# Allegro board RK_TABLET_DEMO1_RK3576_LP4XD200P132SD6_V12_20240530YWQ.brd (continued)
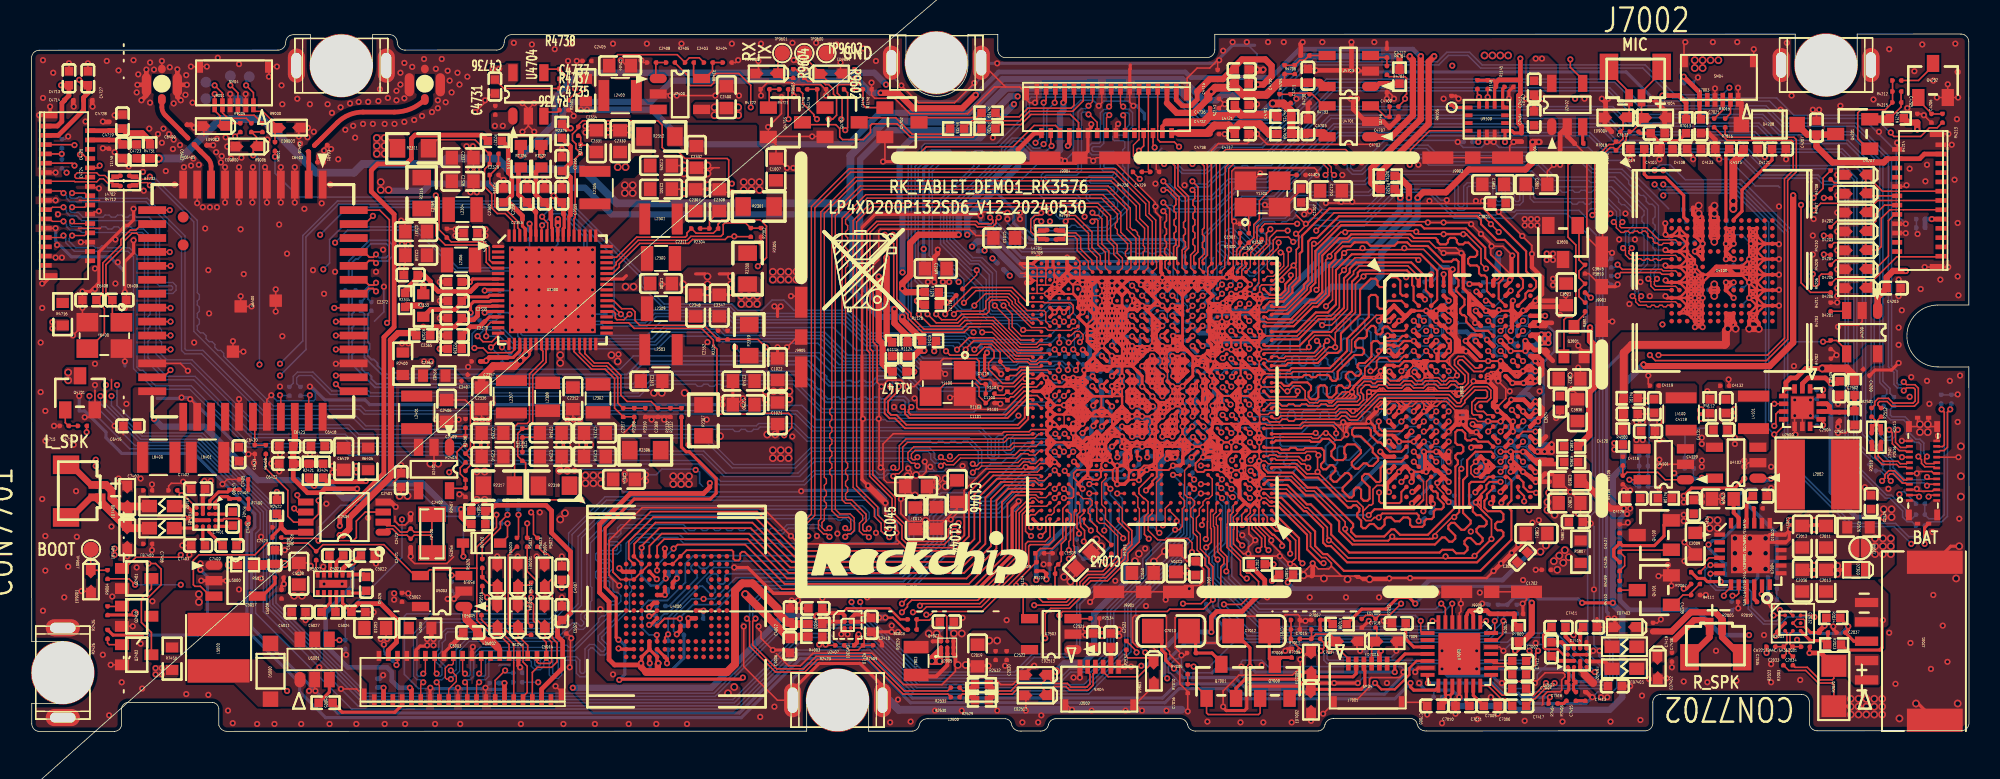
[diagram p0: board, top side]
## Routing (per net, layer and track width the routed paths; a pad name or vN(x,y) marks a point on that pad's centre or on a via; arc(x,y) is an arc through that point) (continued)
VCCA_1V8_S0_P: length 5.1
  TOP w0.203: 33.51,33.1 33.56,33.04 33.56,32.54 33.61,32.49 U2300.60
  TOP w0.305: 33.51,33.1 33.51,33.76 C2353.1 33.04,34.17 32.54,34.67 32.54,36.13 32.85,36.43 R2322.1
VCCA_3V3_S0_P: length 5
  TOP w0.203: 32.54,33.5 32.54,32.04 U2300.63
  TOP w0.305: 32.54,33.5 32.54,33.55 31.98,34.11 C2358.1 31.92,34.17 31.42,34.67 31.42,36.28 R2326.1
VCCIO_1V8_S0: length 145.3
  TOP w0.152: R2028.1 56.06,7.24 55.35,7.95 52.61,7.95 52.3,7.64
  TOP w0.203: U1000.2A2 74.87,17.7 v1(74.86,17.7) ; v1(71.99,17.71) U1000.2A7
  TOP w0.229: U1000.2A5 73.65,17.71 v1(73.79,17.71) ; U1000.2A5 73.27,18.05 v1(73.27,17.61) 73.7,17.61 v1(73.79,17.71) ; U1000.2A5 73.43,18.07 73.46,18.05 73.92,18.05 U1000.2A4 73.94,17.86 v1(73.79,17.71)
  TOP w0.254: 51.02,6.98 51.12,7.08 U2407.A1 52.46,7.49 52.3,7.64 51.02,7.64
  TOP w0.406: 51.02,6.98 R4002.2 ; v1(96.8,8.31) 96.8,6.37 96.24,5.81 R7000.1 95.96,5.43 v1(95.74,5.21)
  TOP w0.508: v1(50.68,7.44) v1(51.08,7.44) ; R5013.1 v2(12.73,10.75)
  L3-POWER w0.406: v1(95.74,5.21) 95.23,4.7 83.39,4.7 82.12,3.43 v1(73.28,3.43) ; v1(34.93,2.82) 34.12,2.01 17.1,2.01 v1(16.49,2.62)
  L4-SIG w0.406: v2(66.12,3.89) 66.22,3.99 67.9,3.99 68.46,3.43 v1(73.28,3.43) ; v2(12.73,10.75) 11.92,9.94 11.92,6.53 15.83,2.62 v1(16.49,2.62)
  L5-GND w0.508: v2(66.12,3.89) 65.15,4.85 61.37,4.85 60.76,5.46 55.43,5.46 53.44,7.44 v1(51.08,7.44) v1(50.68,7.44)
  BOTTOM w0.203: v1(73.28,3.43) 73.11,3.6 73.11,4.4 74.43,5.71 76.43,5.71 76.89,6.17 76.89,6.83 75.8,7.92 R1927.1 ; v1(96.8,8.31) 96.45,8.66 95.68,8.66 95.23,8.2 R1800.1 R1801.1
  BOTTOM w0.305: 72,17.72 72.07,17.78 73.1,17.78 v1(73.27,17.61) 73.7,17.61 v1(73.79,17.71) C1903.1 74.55,17.4 v1(74.86,17.7) ; 72,17.72 C1901.1 ; 72,17.72 v1(71.99,17.71) ; v1(74.86,17.7) 74.87,17.7 C1800.1 ; v1(74.86,17.7) 74.91,17.65 R1935.1
  BOTTOM w0.406: 72.88,13.81 R1926.1 71.86,13.81 71.45,13.41 71.45,12.57 70.54,11.66 70.54,9.58 68.56,7.6 68.56,5.1 67.85,4.39 66.63,4.39 v2(66.12,3.89) ; 72.88,13.81 R1934.1 ; 72.88,13.81 72.77,13.92 72.77,17.21 73.18,17.61 v1(73.27,17.61) ; v1(34.93,2.82) 43.87,2.82 48.49,7.44 v1(50.68,7.44) v1(51.08,7.44)
VCCIO_CODEC: length 5.6
  TOP w0.203: U7000.2 93.03,7.56 92.79,7.8 92.64,7.64 92.64,7.54 92.58,7.49 U7000.3
  TOP w0.305: 92.79,7.8 93.91,7.8 94.11,7.59 95.67,7.59 C7003.1 95.68,6.99 R7000.2
VCCIO_SD_S0: length 105.2
  TOP w0.203: v1(71.47,17.61) 71.34,17.75 U1000.2A8
  TOP w0.305: R2327.2 29.08,38.52 24.74,38.52 24.51,38.29 24.51,37.01 24.16,36.65 22.33,36.65 21.92,36.25 21.92,34.87 23.4,33.4 23.4,26.12 22.74,25.46 22.74,16.67 19.89,13.83 v1(19.89,13.28)
  L4-SIG w0.305: v1(71.47,17.61) 71.47,17.01 70.95,16.48 70.95,14.6 70.28,13.94 66.98,13.94 66.27,13.23 66.27,12.47 65.56,11.76 48.29,11.76 46.87,13.18 37.87,13.18 34.93,10.24 28.43,10.24 27.82,9.63 26.85,9.63 26.6,9.88 22.53,9.88 21.67,10.74 21.67,11.56 19.94,13.28 v1(19.89,13.28)
  BOTTOM w0.152: C1309.1 70.57,16.36 69.55,16.36 69.22,16.03 69.22,15.06 69.62,14.66 69.62,11.96 68.81,11.15 R1360.1 67.44,11.58 R1361.1
  BOTTOM w0.203: C1309.1 71.45,17.59 v1(71.47,17.61)
VCCIO_SD_S0_P: length 7.4
  TOP w0.203: U2300.65 31.86,32.46 31.68,32.64 31.68,33.05
  TOP w0.305: 30.54,34.17 30.81,34.17 31.68,33.3 31.68,33.05 ; 30.54,34.17 30.99,34.62 30.99,35.87 30.76,36.09 30.76,37.74 R2327.1 ; 30.54,34.17 C2360.1
VCCIO_WL: length 64.8
  TOP w0.229: v1(69.72,18.4) 69.76,18.4 70.04,18.68 U1000.2B10
  TOP w0.305: C6422.1 16.89,16.34 17.81,15.42 18.67,15.42 18.93,15.67 v1(21.01,15.67)
  TOP w0.406: R2424.2 R2421.2 17.9,17.3 C6422.1 C6423.1 16.99,18.51 U6400.34
  L4-SIG w0.203: v1(69.72,18.4) 69.29,18.82 68.35,18.82 68.05,18.52 65.51,18.52 65.32,18.33
  L4-SIG w0.305: v1(21.01,15.67) 21.87,15.67 23.04,14.5 23.04,13.54 23.6,12.98 34.32,12.98 36.81,15.47 48.59,15.47 49.15,16.03 51.84,16.03 54.59,18.77 64.44,18.77 64.89,18.33 65.32,18.33
  BOTTOM w0.305: v1(69.72,18.4) 69.46,18.14 C1801.1
VDD1_1V8_DDR_S3: length 18.5
  TOP w0.279: v1(87.51,25.57) 87.53,25.55 U3800.F1 ; U3800.U1 v1(87.59,18.72) ; v1(94.64,18.72) U3800.T9 ; U3800.T4 v1(90.64,19.37) ; 97.36,25.15 v1(97.42,25.1) v1(97.42,25.63) 96.8,25.63 U3800.F12 96.97,25.55 97.36,25.15 97.36,25.15
  TOP w0.305: U3800.G4 v1(90.64,25.22) ; U3800.U12 97.04,18.07 v1(97.18,18.07) ; U3800.G9 v1(93.91,25.3) ; v1(97.42,25.63) v1(97.87,25.63) v1(97.87,25.1) v1(97.42,25.1)
  TOP w0.406: v1(97.63,18.07) v1(98.09,18.53) v1(98.09,18.07) v1(97.63,18.07) ; v1(97.63,18.07) v1(97.18,18.07)
  L4-SIG w0.203: v1(97.18,18.07) v1(97.63,18.07)
  L4-SIG w0.254: v1(97.42,25.63) v1(97.42,25.1)
  BOTTOM w0.254: C3841.1 87.11,25.57 v1(87.51,25.57) ; C3837.1 93.64,25.57 v1(93.91,25.3) ; v1(90.64,19.37) 90.58,19.37 C3842.1
  BOTTOM w0.305: v1(90.64,25.22) 90.95,24.91 C3838.1 ; v1(94.64,18.72) 94.4,18.96 C3840.1 ; v1(87.59,18.72) 87.59,18.36 C3844.1 ; C3843.1 97.63,18.25 v1(97.63,18.07) ; C3843.1 97.18,18.2 v1(97.18,18.07) v1(97.63,18.07) ; C3843.1 97.51,18.53 v1(98.09,18.53) v1(98.09,18.07) v1(97.63,18.07)
  BOTTOM w0.406: v1(97.42,25.1) 97.25,25.1 97.03,24.89 C3839.1 ; v1(97.42,25.1) v1(97.42,25.63) v1(97.87,25.63) v1(97.87,25.1) v1(97.42,25.1)
VDD2_DDR_S3: length 55.7
  TOP w0.102: R2311.1 22.96,38.33 v2(22.79,38.33) v2(22.28,38.33)
  TOP w0.203: v1(92.54,25.22) 92.92,25.6 93.46,25.6 U3800.F8
  TOP w0.254: v1(94.17,14.74) 94.31,14.89 U3800.AB9 ; U3800.N10 95.48,21.36 v1(95.48,21.43) ; U3800.G2 v1(88.39,24.57) ; U3800.U8 92.95,18.4 v1(92.89,18.34) ; v1(92.98,19.85) 93.09,19.74 93.47,19.74 U3800.R8 ; U3800.N3 v1(89.19,20.67)
  TOP w0.279: U3800.K3 89.24,23.22 89.24,23.22 v1(89.24,23.22) ; v1(97.04,22.62) 96.92,22.5 v1(96.27,22.5) ; v1(97.04,22.62) 97.47,23.05 97.47,23.49 ; v1(97.04,22.62) 96.71,22.95 U3800.K12 v1(96.27,22.5) ; v1(87.59,24.57) U3800.H1 88.06,24.25 v1(88.39,24.57) ; 97.47,23.49 v1(97.04,23.92) 96.71,24.25 U3800.H12 97.19,24.25 97.47,23.97 97.47,23.49 ; v1(96.27,22.5) v1(95.56,22.5) U3800.K10 ; U3800.R5 v1(91.44,20.02) ; U3800.A9 94.31,29.11 v1(94.54,29.34) ; U3800.A4 v1(90.31,29.53) ; U3800.N1 v1(87.59,20.67) ; U3800.H8 v1(92.54,25.22) ; U3800.T2 v1(89.04,19.37) ; U3800.K1 v1(87.61,23.25) ; U3800.H5 v1(91.44,24.57) 91.52,24.65 91.52,25.14 v1(91.44,25.22) U3800.F5 ; U3800.R1 v1(87.59,20.02)
  TOP w0.305: v1(81.05,9.63) 81.05,9.68 81.4,10.03 R3809.2 ; v1(95.48,21.43) 96.28,21.43 U3800.N12 v1(97.04,21.32) 97.49,20.87 97.49,20.47 97.21,20.19 v1(97.21,20.03) 97.05,20.03 U3800.R12 ; U3800.AB4 90.31,14.81 v1(90.42,14.7) ; U3800.U5 v1(91.44,18.72) ; 97.41,11.61 v2(97.36,11.61)
  BOTTOM w0.089: v1(91.44,18.72) C3834.1
  BOTTOM w0.102: v1(92.89,18.34) 92.93,18.38 C3835.1
  BOTTOM w0.254: C3830.1 88.97,20.67 v1(89.19,20.67) ; v1(87.59,20.67) 87.35,20.44 C3828.1 87.35,20.26 v1(87.59,20.02) ; 88.38,24.57 C3826.1 87.59,24.62 v1(87.59,24.57) 88.38,24.57 ; 88.38,24.57 v1(88.39,24.57) ; C3832.1 90.38,29.59 v1(90.31,29.53)
  BOTTOM w0.279: C3827.1 96.99,23.92 v1(97.04,23.92)
  BOTTOM w0.305: v2(97.36,11.61) 96.75,11.61 94.92,9.78 90.2,9.78 89.64,9.22 81.41,9.22 81.05,9.58 v1(81.05,9.63) ; v1(97.04,21.32) 96.59,21.77 96.13,21.77 ; 96.13,21.77 95.78,21.43 v1(95.48,21.43) ; 96.13,21.77 96.98,22.62 v1(97.04,22.62) ; C3829.1 96.79,20.17 97.07,20.17 v1(97.21,20.03) ; v1(89.24,23.22) 89.24,23.22 89.24,23.23 89.24,23.32 89.44,23.52 C3833.1 ; v1(90.42,14.7) 90.42,14.27 C3831.1
  BOTTOM w0.406: v1(94.7,30.88) 94.62,30.81 94.62,30.19 94.61,30.18 94.61,29.4 v1(94.54,29.34)
  vias: v1(97.77,30.86) v1(97.77,30.45) v1(98.17,30.86) v1(98.17,30.45) v1(98.17,29.23) v1(98.17,28.83) v2(22.28,37.82) v2(22.28,37.31) v2(22.79,37.82) v2(22.79,37.31) v2(97.72,12.01)
VDD2_DDR_S3_P: length 11.1
  TOP w0.102: R2311.2 26.16,38.22 28.62,38.22 29.52,37.31 C2329.1 R2313.1 29.24,36.32 29.24,35.18 29.7,34.72 29.7,33.81 30.05,33.45 30.56,33.45 31.16,32.85 U2300.67
VDD6V0_LCD: length 15.7
  TOP w0.254: U5002.2 20.07,10.49
  TOP w0.305: C5022.1 20.79,10.9 v1(20.7,10.9) 20.6,10.79 20.37,10.79 20.07,10.49 ; J5000.9 24.51,2.72 v1(24.41,2.82)
  BOTTOM w0.305: v1(24.41,2.82) 23.7,2.82 23.24,3.28 23.24,3.83 22.94,4.14 20.4,4.14 18.98,5.56 18.98,7.64 20.7,9.37 v1(20.7,10.9)
VDD_0V75_S3: length 49.6
  TOP w0.203: U1000.2L2 v1(74.92,24.9)
  TOP w0.229: v1(69.72,24.92) 69.72,24.9 U1000.2L10
  TOP w0.406: R2328.2 v1(26.34,24.71)
  L4-SIG w0.305: 65.41,26.29 65.71,25.98 69.27,25.98 69.57,25.68 69.57,25.06 v1(69.72,24.92)
  L4-SIG w0.406: v1(26.34,24.71) 27.66,26.03 30.15,26.03 30.75,25.43 37.78,25.43 38.69,26.34 52.96,26.34 54.41,27.79 56.08,27.79 56.61,28.32 59.57,28.32 59.72,28.17 63.53,28.17 65.41,26.29
  BOTTOM w0.305: C1118.1 69.87,25.07 v1(69.72,24.92) ; v1(74.92,24.9) 74.92,24.76 C1107.1
VDD_0V75_S3_P: length 3.7
  TOP w0.203: U2300.14 29.54,26.77 29.26,26.49
  TOP w0.305: 29.26,26.49 28.9,26.14 28.32,26.14 C2363.1
  TOP w0.406: R2328.1 C2363.1
VDD_CPU_BIG_S0: length 72.7
  TOP w0.102: U2300.49 37.74,30.62 39.04,31.93 42.19,31.93 42.29,32.03 42.29,32.2 C2311.2 42.88,32.18 43.99,32.18 R2304.2 44.3,32.76 44.58,33.04 47.02,33.04 47.42,32.64 47.42,30.61 v1(46.87,30.05)
  TOP w0.178: v1(72.97,22.95) 72.97,22.95 72.97,22.3 v1(72.97,22.3) ; v1(72.32,22.95) v1(72.32,23.6)
  TOP w0.203: v1(71.67,23.6) U1000.2K7 ; U1000.2K7 72.32,23.6 ; U1000.2K7 72.32,24.25
  TOP w0.229: U1000.2K7 U1000.2J7 ; U1000.2J7 v1(71.67,23.6) ; U1000.2J7 v1(72.32,23.6) ; U1000.2J7 v1(72.32,22.95) ; U1000.2J7 U1000.2H7 ; v1(72.97,22.3) U1000.2H6 ; v1(72.97,22.3) U1000.2G5 v1(72.97,21.65) ; v1(72.97,22.3) v1(72.32,22.3) ; v1(72.97,22.3) v1(72.97,21.65) ; v1(72.97,22.3) U1000.2G6 ; v1(72.32,23.6) U1000.2K6 v1(72.32,24.25) 72.32,23.6 v1(72.32,23.6) ; v1(72.32,23.6) U1000.2J6 ; U1000.2J6 v1(72.32,22.95) ; U1000.2J6 U1000.2H6 ; U1000.2J6 v1(72.97,22.95) U1000.2H6 ; U1000.2G6 v1(72.32,22.3) ; U1000.2G6 v1(72.97,21.65) ; v1(72.32,22.95) 72.32,22.3 ; v1(72.32,22.95) U1000.2H6 ; v1(72.32,22.95) U1000.2H7 ; v1(72.32,22.3) 72.32,22.3 ; v1(72.32,22.3) 72.32,22.3 ; v1(72.32,22.3) U1000.2H6 ; 72.32,22.3 U1000.2H7
  L3-POWER w0.089: 72.16,29.08 72.27,28.98 72.27,25.32 72.06,25.12 ; 72.27,24.32 72.25,24.31 v1(72.32,24.25) ; 72.06,24.64 72.32,24.38 v1(72.32,24.25) ; v1(72.32,24.25) 72.32,24.25 ; 70.67,22.73 70.78,22.62 71.99,22.62 v1(72.32,22.95) ; v1(72.97,21.65) 72.64,21.31 72.19,21.31 72,21.5 72,22.01 ; v1(72.97,22.95) 73.33,22.58
  L3-POWER w0.102: v1(46.87,30.05) 46.97,30.15 71.1,30.15 72.16,29.08
  L3-POWER w0.305: v1(72.97,22.95) v1(72.32,23.6) 72.32,24.25
  BOTTOM w0.152: v1(72.97,21.65) 72.97,21.65
  BOTTOM w0.305: 72.32,22.95 C1001.1 ; 72.32,22.95 v1(72.32,22.95) 72.41,22.95 C1002.1 ; 72.32,22.95 72.24,22.95 C1005.1 71.98,23.28 ; C1002.1 72.74,22.72 v1(72.97,22.95) v1(72.32,23.6) 72.32,23.6 v1(72.32,24.25) ; C1002.1 72.74,22.52 v1(72.97,22.3) ; v1(72.97,21.65) 72.66,21.96 72.66,21.99 v1(72.97,22.3) ; v1(72.97,22.3) 73.29,21.97 C1003.1 72.97,21.65
  vias: v1(58.8,29.03) v1(59.21,29.03) v2(47.83,29.69) v2(47.83,29.18) v2(48.34,29.69) v2(48.34,29.18) v2(48.85,29.69) v2(48.85,29.18) v2(49.36,29.69) v2(49.36,29.18)
VDD_CPU_BIG_S0_P: length 2
  TOP w0.102: C2311.1 R2304.1 43.75,32.98 C2308.1
VDD_CPU_LIT_S0: length 84.9
  TOP w0.102: v1(45.19,35.38) 44.99,35.58 44.99,36.91 44.88,37.01 42.17,37.01 41.71,37.46 40.95,37.46 40.69,37.72 40.69,39.17 40.41,39.45 35.56,39.45 35.28,39.17 C2334.2 35.28,38.96 34.9,38.58 34.9,38.18 35.13,37.95 35.13,37.65 R2314.2 35.08,36.99 35.08,33.2 35.01,33.12 U2300.56
  TOP w0.178: v1(73.62,23.6) v1(73.62,24.25) v1(74.27,24.25)
  TOP w0.229: U1000.2J4 U1000.2K4 ; U1000.2J4 v1(73.62,23.6) ; U1000.2J4 73.67,23 ; U1000.2J4 v1(74.27,23.6) ; U1000.2J4 73.94,23.27 ; U1000.2K4 v1(74.27,24.25) ; U1000.2K4 74.59,23.92 ; U1000.2K4 v1(73.62,23.6) ; U1000.2K4 v1(73.62,24.25) ; U1000.2K4 74.27,23.6 ; v1(74.27,23.6) 74.27,22.95 ; v1(74.27,23.6) 74.27,23.6 ; 74.27,22.95 74.26,22.94 ; 74.27,22.95 U1000.2J3 74.27,23.6 ; 73.67,23 v1(73.67,22.95) 73.67,22.89 U1000.2H4 ; 73.67,23 73.67,23.54 v1(73.62,23.6) ; v1(74.27,24.25) 74.59,23.92 ; v1(74.27,24.25) 74.27,23.6 ; 74.59,23.92 U1000.2K3 74.27,23.6 ; 74.26,22.94 U1000.2H4 ; 74.26,22.94 73.94,23.27 ; U1000.2H4 73.94,23.27
  L3-POWER w0.089: 74.22,28.7 74.45,28.47 75.05,28.47 75.24,28.28 ; 75.24,28.28 75.24,26.61 75.15,26.52 74.68,26.52 74.59,26.43 74.59,25.95 74.4,25.76 74.4,24.38 v1(74.27,24.25) ; 75.24,28.28 75.24,28.57 75.17,28.65 75.17,28.96 75.67,29.46 75.67,29.72 ; 72.64,29.72 72.64,24.11 72.83,23.91 73.3,23.91 v1(73.62,23.6)
  L3-POWER w0.102: 75.67,29.72 75.67,30.66 73.71,32.61 72.08,32.61 70.58,34.11 49.28,34.11 47.48,35.92 45.72,35.92 v1(45.19,35.38)
  L3-POWER w0.33: v1(73.67,22.95) 73.67,23.54 v1(73.62,23.6) v1(74.27,24.25)
  BOTTOM w0.229: v1(74.27,24.25) 74.27,24.35 C1009.1 ; 73.61,23.6 v1(73.62,23.6) 73.62,23 v1(73.67,22.95) ; 73.62,24.24 v1(73.62,24.25)
  BOTTOM w0.305: v1(73.62,23.6) 73.3,23.92 C1011.1 73.29,23.92 v1(73.62,24.25) 73.61,24.25 C1010.1
  vias: v1(63.78,33.5) v1(63.78,33.1) v2(45.95,35.48) v2(45.95,34.98) v2(46.46,35.48) v2(46.46,34.98) v2(46.97,35.48) v2(46.97,34.98)
VDD_CPU_LIT_S0_P: length 1.9
  TOP w0.102: C2331.1 36.35,37.42 35.9,37.87 35.46,37.87 R2314.1 35.44,38.38 35.33,38.48 C2334.1
VDD_DDR_S0: length 106.3
  TOP w0.102: 75.22,22.6 75.22,22 ; v1(35.49,14.96) 32.13,14.96 31.88,15.21 31.88,17.35 31.75,17.48 C2351.2 31.37,17.78 31.37,19.25 R2320.2 32,19.55 32.34,19.89 32.34,22.99 33.2,23.85 33.2,24.66 33.26,24.72 U2300.25
  TOP w0.178: v1(74.92,22.3) v1(74.92,21.65) v1(74.92,21) v1(74.92,20.35)
  TOP w0.203: U1000.2H2 v1(74.92,22.3) ; v1(74.92,21) U1000.2E2 v1(74.92,20.35)
  TOP w0.229: v1(74.92,21.65) U1000.2G2 v1(74.92,22.3) U1000.2G3 v1(74.92,21.65) ; v1(74.92,21.65) U1000.2F3 v1(74.92,21)
  L3-POWER w0.089: 75.88,29.72 75.9,29.69 75.9,26.07 75.7,25.87 75.28,25.87 ; v1(74.92,21.65) U1000.2G3 73.94,21.97 ; v1(74.92,20.35) 74.59,20.67 74.13,20.67 73.94,20.86 73.94,21.34 ; 73.94,21.97 73.94,22.76 74.61,23.43 74.61,24.74 74.59,24.76 74.59,25.68 74.78,25.87 75.28,25.87 ; 73.94,21.97 73.94,21.34 ; 75.28,25.87 75.28,25.71 75.24,25.68 75.24,23.93 74.26,22.95 v1(74.92,22.3) ; 73.94,21.34 74.12,21.34 74.13,21.32 74.59,21.32 v1(74.92,21)
  L3-POWER w0.102: v1(35.49,14.96) 39.25,14.96 41.38,17.09 42.29,17.09 42.8,17.6 42.8,29.76 43.27,30.23 44.5,30.23 44.79,30.51 44.79,35.54 44.99,35.74 45.24,35.74 45.62,36.12 47.58,36.12 49.38,34.31 70.68,34.31 72.18,32.82 73.82,32.82 75.88,30.75 75.88,29.72
  L3-POWER w0.381: v1(74.92,22.3) v1(74.92,21.65) v1(74.92,21) v1(74.92,20.35)
  BOTTOM w0.305: v1(74.92,20.35) 75.14,20.57 75.14,20.77 v1(74.92,21) 75.14,21.22 C1208.1 75.14,21.42 v1(74.92,21.65) 75.13,21.86 C1209.1 75.13,22.08 v1(74.92,22.3)
  vias: v1(82.12,33.4) v1(82.48,33.6) v2(35.74,16.53) v2(35.74,16.03) v2(36.25,16.53) v2(36.25,16.03) v2(36.76,16.53) v2(36.76,16.03)
VDD_DDR_S0_P: length 2.2
  TOP w0.102: C2351.1 R2320.1 32.53,19 C2346.1
VDD_GPU_S0: length 81.1
  TOP w0.089: v2(68.71,12.39) 68.71,12.37 68.39,12.05 C1043.1 68.6,11.54 v2(69.01,11.96)
  TOP w0.102: U2300.46 37.5,29.57 37.93,30 37.93,30.2 39.25,31.52 42.4,31.52 42.65,31.77 44.75,31.77 44.94,31.96 45.32,31.96 v1(45.34,31.98) 45.36,31.96 R2302.1 ; 73.92,19.4 73.92,20 U1000.2D4 ; 73.92,20.05 73.92,20.65
  TOP w0.178: v1(73.62,20.35) v1(73.62,19.7) v1(73.62,19.05) v1(72.97,19.05) v1(72.97,19.7)
  TOP w0.203: v1(73.62,20.35) U1000.2D4 v1(73.62,19.7)
  TOP w0.229: v1(73.62,19.7) U1000.2C4 v1(73.62,19.05) U1000.2C5 ; v1(73.62,19.7) U1000.2C5 ; v1(73.62,19.7) U1000.2D5 ; v1(72.97,19.05) 73.29,19.37 ; 73.29,19.37 U1000.2C5 ; 73.29,19.37 v1(72.97,19.7) U1000.2D5 ; U1000.2C5 U1000.2D5 ; U1000.2D5 v1(73.62,20.35) U1000.2E4
  L3-POWER w0.089: 75.92,18.65 75.92,19.16 75.73,19.35 75.33,19.35 75.24,19.43 75.24,19.83 75.05,20.02 U1000.2D4 v1(73.62,20.35) ; v1(72.97,19.05) 72.97,18.67 72.72,18.43 72.72,15.11
  L3-POWER w0.102: 72.57,13.72 72.72,13.87 72.72,15.11 ; v1(45.34,31.98) 45.34,30.49 44.65,29.79 43.41,29.79 43.21,29.59 43.21,15.67 48.09,10.79 57.74,10.79 58.15,10.38 70.59,10.38 v2(71.2,11)
  L3-POWER w0.33: v1(72.97,19.05) v1(72.97,19.7)
  BOTTOM w0.254: v1(72.97,19.7) 72.97,19.6 C1026.1 72.97,19.14 v1(72.97,19.05)
  vias: v1(71.86,11.81) v2(45.8,28.12) v2(45.8,27.61) v2(46.31,28.12) v2(46.31,27.61) v2(46.82,28.12) v2(46.82,27.61) v2(71.45,11.48)
VDD_LOGIC_S0: length 74.7
  TOP w0.102: v1(47.37,24.82) 46.86,25.33 R2321.2 C2352.2 43.39,26.24 39.25,26.24 38.94,26.54 38.94,27.1 38.74,27.3 38.08,27.3 37.56,27.82 U2300.41
  TOP w0.152: v1(71.02,21) 71.02,21 v1(71.67,21)
  TOP w0.229: v1(71.02,22.95) 71.02,22.95 v1(71.02,22.3) ; v1(71.02,22.95) U1000.2H9 70.97,22.35 ; v1(71.02,22.95) U1000.2J9 ; v1(71.02,22.95) U1000.2H8 v1(71.02,22.3) ; v1(71.02,22.3) 70.97,22.3 ; v1(71.02,22.3) v1(71.02,21.65) ; v1(71.02,22.3) U1000.2G9 ; v1(71.02,22.3) U1000.2G8 ; v1(71.02,21) v1(71.02,21.65) ; v1(71.02,21) U1000.2F9 ; v1(71.02,21) U1000.2F8 ; v1(71.02,21.65) U1000.2G9 ; v1(71.02,21.65) U1000.2F9 ; v1(71.02,21.65) v1(71.67,21.65) ; v1(71.02,21.65) U1000.2G8 ; v1(71.02,21.65) U1000.2F8 ; U1000.2G9 U1000.2F9 ; 72.31,20.99 72.32,20.99 ; 72.31,20.99 U1000.2E7 71.67,20.99 ; 72.31,20.99 71.67,20.99 ; 72.32,20.99 U1000.2F7 ; 72.32,20.99 v1(72.36,20.99) ; U1000.2F7 v1(71.67,21) ; U1000.2F7 71.67,21.65 ; v1(71.67,21) U1000.2F8 ; v1(71.67,21) 71.67,21.65 ; v1(71.67,21) 71.67,20.99 ; v1(71.67,21.65) 71.67,21.65 ; v1(71.67,21.65) U1000.2F8 ; v1(71.67,21.65) U1000.2G8
  L3-POWER w0.089: 68.13,22.11 68.39,21.84 70.51,21.84 70.97,22.3 v1(71.02,22.3) ; 68.13,22.11 68.13,22.35 67.96,22.52 65.29,22.52 65.2,22.61 ; 68.13,22.11 65.25,22.11 65.25,22.11 65.21,22.11 65.2,22.1 ; 70.04,20.48 70.04,20.21 69.9,20.07 70.18,20.07 70.23,20.02 71.8,20.02 71.99,20.21 71.99,20.67 71.67,20.99 ; 70.04,20.48 69.62,20.06 68.39,20.06 68.15,19.82 68.15,19.14 67.88,18.87 65.75,18.87 65.59,19.03 65.59,19.43 ; 70.04,20.48 70.56,21 v1(71.02,21) ; v1(71.02,21.65) 70.97,21.59 70.97,21.08 71.05,21
  L3-POWER w0.102: v1(47.37,24.82) 47.37,24.26 47.7,23.93 60.96,23.93 61.09,23.8 64.01,23.8 65.2,22.61 ; 63.05,22.1 65.2,22.1
  L3-POWER w0.254: v1(71.67,21) 71.67,20.99 v1(72.36,20.99)
  L3-POWER w0.305: 71.67,21 v1(71.67,21.65) 71.63,21.65 71.02,22.25
  L3-POWER w0.381: v1(71.02,21) 71.67,21 v1(71.67,21)
  BOTTOM w0.203: C1016.1 72.31,20.99 v1(72.36,20.99) ; v1(71.02,22.3) 71.02,22.3 v1(71.02,22.95) ; C1017.1 v1(71.67,21)
  BOTTOM w0.254: C1018.1 70.73,21.28 v1(71.02,21) ; v1(71.02,22.95) 70.71,23.25 C1023.1 ; 70.97,22.24 v1(71.02,22.3)
  BOTTOM w0.305: v1(72.36,20.99) 72.63,20.72 C1024.1
  vias: v2(47.37,21.97) v2(47.37,21.46) v2(47.88,21.97) v2(48.39,21.97) v2(48.9,21.97) v2(48.9,21.46)
VDD_NPU_S0: length 53.2
  TOP w0.089: v2(58.42,16.33) 58.35,16.33 58.25,16.23 ; 71.99,20.02 71.34,20.02 ; 58.25,16.23 58.27,16.23 58.52,15.98 58.88,16.33 v2(58.98,16.33) ; 58.25,16.23 58.25,15.98 57.98,15.71 57.98,15.71 ; v2(58.45,15.82) 58.27,15.82 ; 58.27,15.82 58.16,15.71 ; 58.27,15.82 C1045.1
  TOP w0.102: 57.98,15.53 57.98,15.71 ; 57.98,15.53 57.98,15.21 ; 57.98,15.53 58.16,15.71 ; U2300.37 37.14,26.39 38.53,26.39 38.89,26.03 43.23,26.03 44,25.27 44,24.93 44.22,24.7 44.22,20.6 44.33,20.5 47.12,20.5 47.17,20.55 48.85,20.55 49.05,20.34 49.05,19.61 v1(48.57,19.13) ; v1(71.67,19.05) v1(71.02,19.05)
  TOP w0.178: v1(71.02,19.7) U1000.2D8 71.34,20.02 ; U1000.2C7 71.99,19.37 ; 71.99,20.02 U1000.2D7 71.94,19.96 71.94,19.43
  TOP w0.229: 70.99,19.67 70.39,19.67 ; 70.99,19.67 U1000.2C9 ; 70.99,19.67 v1(71.02,19.7) ; 70.39,19.67 U1000.2C9 ; 70.39,19.67 v1(70.37,19.7) ; U1000.2C7 v1(71.67,19.7) ; v1(71.67,19.7) v1(71.02,19.7) ; v1(71.67,19.7) 71.99,20.02 ; v1(71.67,19.7) U1000.2C8 ; v1(71.67,19.7) 71.34,20.02 ; v1(71.02,19.7) U1000.2C8 ; U1000.2C8 v1(71.02,19.05) U1000.2C9 ; U1000.2C8 71.99,19.37 v1(71.67,19.05) U1000.2C8 ; U1000.2C8 U1000.2C9
  L3-POWER w0.089: 72.32,18.4 v1(71.67,19.05) ; 72.32,18.4 72.32,17.02 ; 72.32,18.4 72.52,18.19
  L3-POWER w0.102: v1(48.57,19.13) 48.21,18.77 47.48,18.77 47.17,18.47 47.17,17.45 49.51,15.11 55.45,15.11 55.96,14.6 57.48,14.6 57.74,14.86 v1(57.74,15.11)
  L3-POWER w0.33: v1(71.67,19.05) v1(71.67,19.7) v1(71.02,19.7) 70.37,19.7 v1(70.37,19.7)
  BOTTOM w0.229: v1(71.02,19.05) v1(71.67,19.05)
  BOTTOM w0.254: v1(71.67,19.05) 71.44,19.28 C1035.1 71.44,19.47 v1(71.67,19.7)
  BOTTOM w0.305: C1042.1 70.19,19.52 v1(70.37,19.7)
  vias: v2(47.83,18.16) v2(47.83,17.65) v2(48.34,18.16) v2(48.34,17.65) v2(48.85,18.16) v2(48.85,17.65) v2(58.98,15.82)
VDDA_0V75_S0: length 63.9
  TOP w0.203: U1000.2H11 69.07,22.3 v1(69.07,22.3)
  TOP w0.229: v1(69.07,19.7) U1000.2D11 ; v1(69.07,22.3) U1000.2G11 ; v1(71.67,25.55) 71.67,25.54 71.99,25.22 U1000.2M7
  TOP w0.406: v1(25.12,27.51) 24.2,27.51 R2334.2
  L4-SIG w0.089: 71.51,26.5 71.34,26.66 ; 71.51,26.5 71.34,26.33 ; 71.51,26.5 71.53,26.52 71.94,26.52 71.99,26.47 71.99,25.55 ; 71.34,26.66 71.34,26.33 ; 71.34,26.66 71.34,28.32 ; 71.34,26.06 71.34,25.87 ; 71.34,26.06 71.67,25.73 71.67,25.73 ; 71.34,26.06 71.34,26.33 ; 71.34,25.87 71.34,25.63 71.43,25.54 71.66,25.54 v1(71.67,25.55) 71.66,25.55 71.34,25.87 ; 71.34,25.87 71.32,25.85 70.72,25.85 70.69,25.87 ; v1(69.07,22.3) U1000.2H11 70.04,22.62 70.04,23.27
  L4-SIG w0.102: v1(71.67,25.55) 71.67,25.54 ; v1(71.67,25.55) 71.67,25.55 ; v1(71.67,25.55) 71.67,25.73
  L4-SIG w0.406: v1(25.12,27.51) 25.33,27.3 26.72,27.3 27.18,27.76 30.41,27.76 30.66,28.01 38.28,28.01 39.45,26.85 52.71,26.85 54.16,28.3 55.15,28.3 55.97,29.12 57.24,29.12 57.66,29.54 60.28,29.54 60.53,29.29 62.97,29.29 v1(63.12,29.44) 63.22,29.54 69.78,29.54 70.34,28.98
  BOTTOM w0.203: v1(71.67,25.55) 71.52,25.4 C1504.1
  BOTTOM w0.305: R1407.2 v1(63.12,29.44) ; C1507.1 69.07,19.55 v1(69.07,19.7) 69.07,21.85 C1117.1 69.02,22.25 v1(69.07,22.3) 68.96,22.4 C1104.1
VDDA_0V75_S0_P: length 7.4
  TOP w0.203: U2300.8 30.1,28.88 28.78,28.88 28.7,28.8
  TOP w0.305: C2372.1 25.33,29.49 25.73,29.08 25.73,28.93 26.24,28.42 28.32,28.42 28.7,28.8
  TOP w0.406: R2334.1 24.11,28.42 24.91,29.23 C2372.1
VDDA_0V85_S0: length 113.5
  TOP w0.203: U1000.2F11 v1(69.72,21)
  TOP w0.229: U1000.2M5 v1(72.97,25.55) 73.02,25.6 U1000.2N5
  TOP w0.406: v1(25.28,28.83) R2333.2 ; R1320.2 87.06,36.15 90.15,39.24 90.15,43.26 v1(90.5,43.61)
  L4-SIG w0.089: 73.94,25.87 73.29,25.87
  L4-SIG w0.152: v1(72.97,25.55) 72.97,25.6 72.34,26.22 72.34,29.29 72.27,29.36
  L4-SIG w0.305: 71.4,29.95 71.76,29.95 72.27,29.44 72.27,29.36
  L4-SIG w0.406: v1(90.5,43.61) 90,43.1 87.25,43.1 86.59,43.76 77.96,43.76 77.04,42.85 64.62,42.85 63.12,41.36 63.12,40.78 v1(63.39,40.51) ; 71.4,29.95 71.3,30.05 61.75,30.05 61.5,30.3 60.53,30.3 60.28,30.05 56.9,30.05 56.5,29.65 v1(56.2,29.65) 55.78,29.65 54.94,28.81 51.89,28.81 50.17,30.53 38.61,30.53 37.52,31.62 30.71,31.62 29.7,30.61 27.05,30.61 v1(25.28,28.83)
  BOTTOM w0.203: C1400.1 72.69,25.27 v1(72.97,25.55)
  BOTTOM w0.305: 69.73,20.99 v1(69.72,21) 69.6,20.88 C1700.1
  BOTTOM w0.406: v1(56.2,29.65) 56.2,33.72 56.01,33.91 56.01,37.52 56.82,38.32 61.2,38.32 v1(63.39,40.51)
VDDA_0V85_S0_P: length 5.5
  TOP w0.203: U2300.10 29.55,28.17 29.44,28.07 28.01,28.07 C2370.1
  TOP w0.305: C2370.1 27.76,27.65 27.36,27.25 25.75,27.25 R2333.1
VDDA_1V2_S0: length 170.4
  TOP w0.203: R4111.1 106.79,9.22 v1(106.61,9.22)
  TOP w0.229: 71.34,25.22 U1000.2M8 71.04,25.52 v1(71.02,25.52) ; U1000.2M3 v1(74.92,25.55)
  TOP w0.406: v1(34.78,38.96) 34.55,38.96 34.27,39.24 R2325.2
  L4-SIG w0.203: v1(106.61,9.22) 106.98,9.22 109.12,7.09 113.16,7.09 114.83,8.76 119,8.76 121.69,11.45 121.69,14.66 121.24,15.11 121.24,16.48 119,18.72 115.4,18.72 114.38,19.74 114.38,24 115.14,24.76 115.77,24.76 117.53,26.53 117.53,35.64 115.4,37.77 112.42,37.77 110.92,39.27 110.92,41.92 110.45,42.39 108.84,42.39 107.88,41.43 106.15,41.43 105.09,42.49 90.76,42.49 90.45,42.19 80.24,42.19 79.43,41.38 77.28,41.38 76.83,40.92 70.43,40.92 70.03,40.52 70.03,39.73 69.11,38.81 68.21,38.81 67.43,39.6 64.55,39.6 62.52,37.57 60.85,37.57 v1(60.45,37.16)
  L4-SIG w0.305: v1(71.02,25.52) 70.34,25.52 69.32,26.54 68.91,26.54 68.61,26.85 68.61,27.51 68.3,27.81 64.65,27.81 63.78,28.68 60.23,28.68 59.87,29.03 v1(59.82,29.03)
  L4-SIG w0.406: v1(34.78,38.96) 34.78,38.58 35.89,37.46 46.28,37.46 52.58,31.17 v1(57.57,31.17)
  L5-GND w0.089: 73.29,25.87 72.64,25.87
  BOTTOM w0.203: v1(71.02,25.52) 70.99,25.52 70.98,25.51 C1506.1 ; v1(60.45,37.16) 59.57,37.16 59.21,37.51 58.09,37.51 57.89,37.31 57.89,36.7 57.57,36.38 v1(57.57,31.17)
  BOTTOM w0.305: v1(74.92,25.55) 74.62,25.25 C1300.1 ; v1(59.82,29.03) 59.82,29.08 59.31,29.59 57.87,29.59 57.57,29.9 v1(57.57,31.17)
VDDA_1V2_S0_P: length 7.1
  TOP w0.203: 34.78,33.35 34.67,33.25 34.67,32.04 U2300.57
  TOP w0.305: C2356.1 34.27,36.2 ; 34.27,36.2 34.78,36.7 34.78,37.78 R2325.1 ; 34.27,36.2 34.36,36.2 34.78,35.79 34.78,33.35
VDDA_DDR_PLL_S0: length 77.2
  TOP w0.229: v1(74.9,19.7) 74.9,19.68 U1000.2C3
  TOP w0.406: R2329.2 24.67,25.73 23.65,25.73 23.19,25.27 23.19,16.48 20.5,13.79 20.5,13.08 20.09,12.67 v1(19.89,12.67)
  L4-SIG w0.089: 73.97,18.41 74.09,18.41 74.59,18.91 74.59,19.12 74.81,19.34 74.89,19.34 74.9,19.35 v1(74.9,19.7)
  L4-SIG w0.406: v1(19.89,12.67) 21.21,11.35 21.21,10.44 22.23,9.42 26.34,9.42 26.6,9.17 28.12,9.17 28.73,9.78 35.23,9.78 38.13,12.67 46.56,12.67 47.93,11.3 65.76,11.3 66.73,12.27 66.73,12.88 67.34,13.49 70.59,13.49 71.85,14.75 72.43,14.75 72.57,14.6
  BOTTOM w0.305: v1(74.9,19.7) 75.16,19.96 C1213.1
